# Altium PCB slave-14-mc33775.PcbDoc (part 1 of 5) (continued)
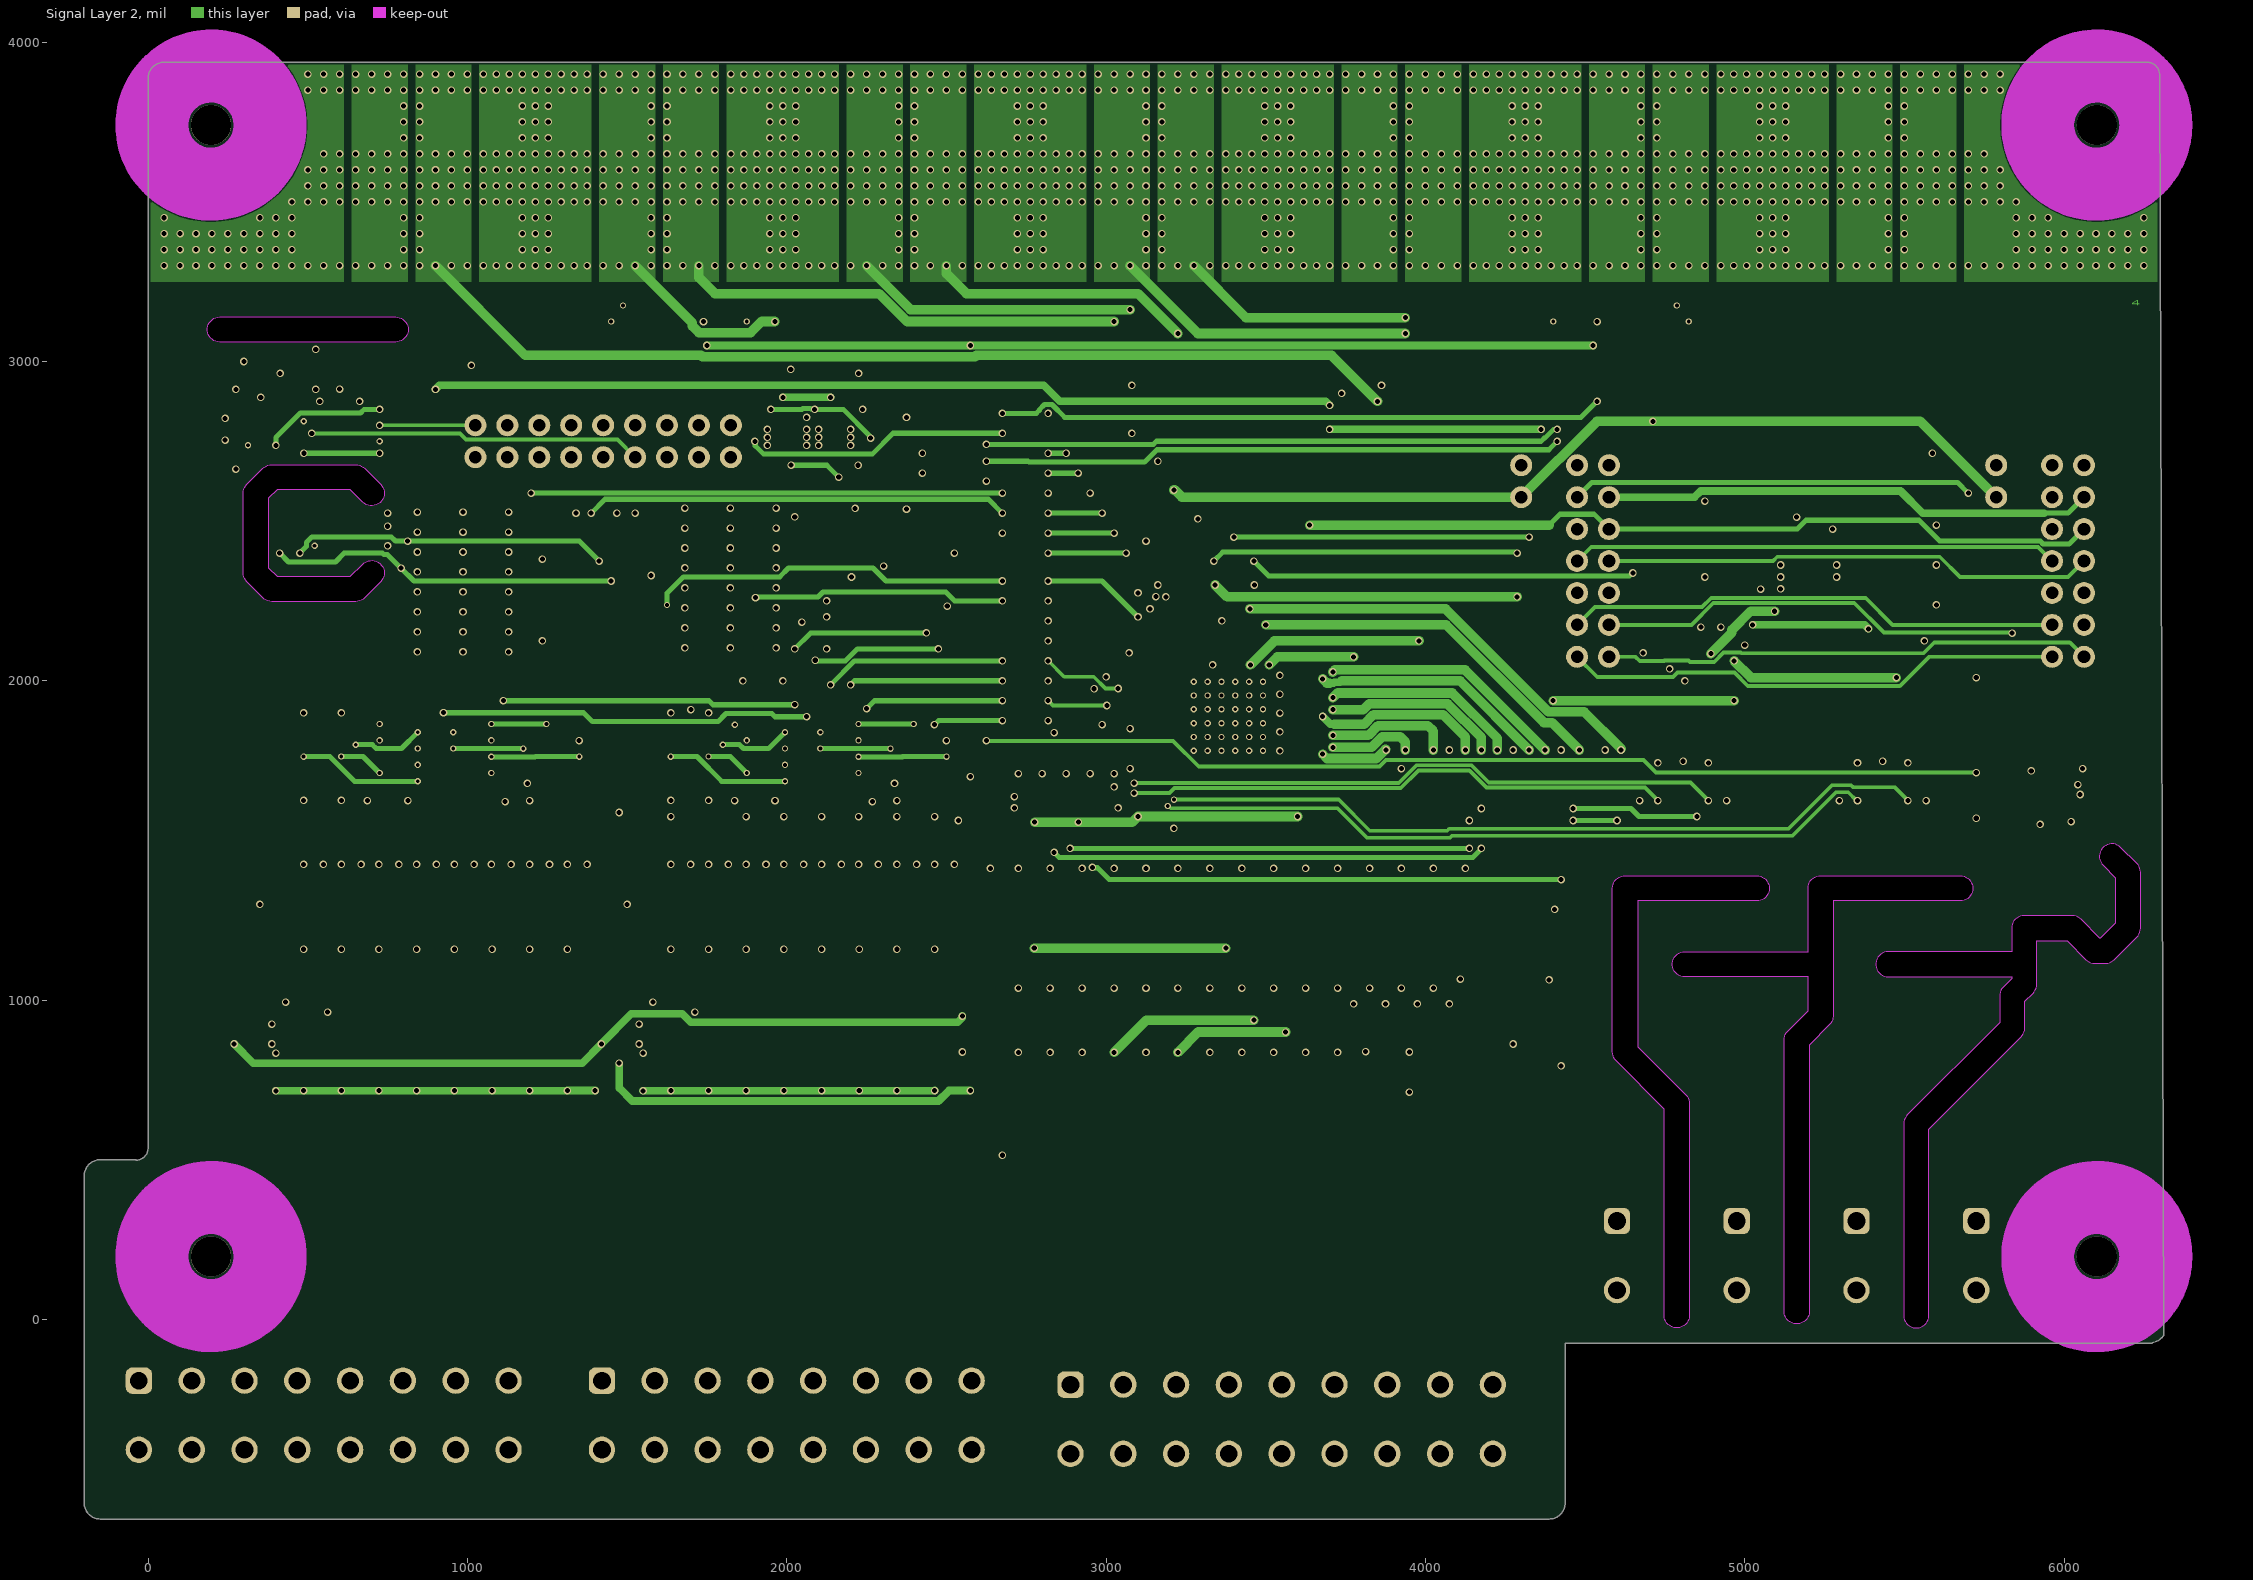
[diagram p4: Signal Layer 2]
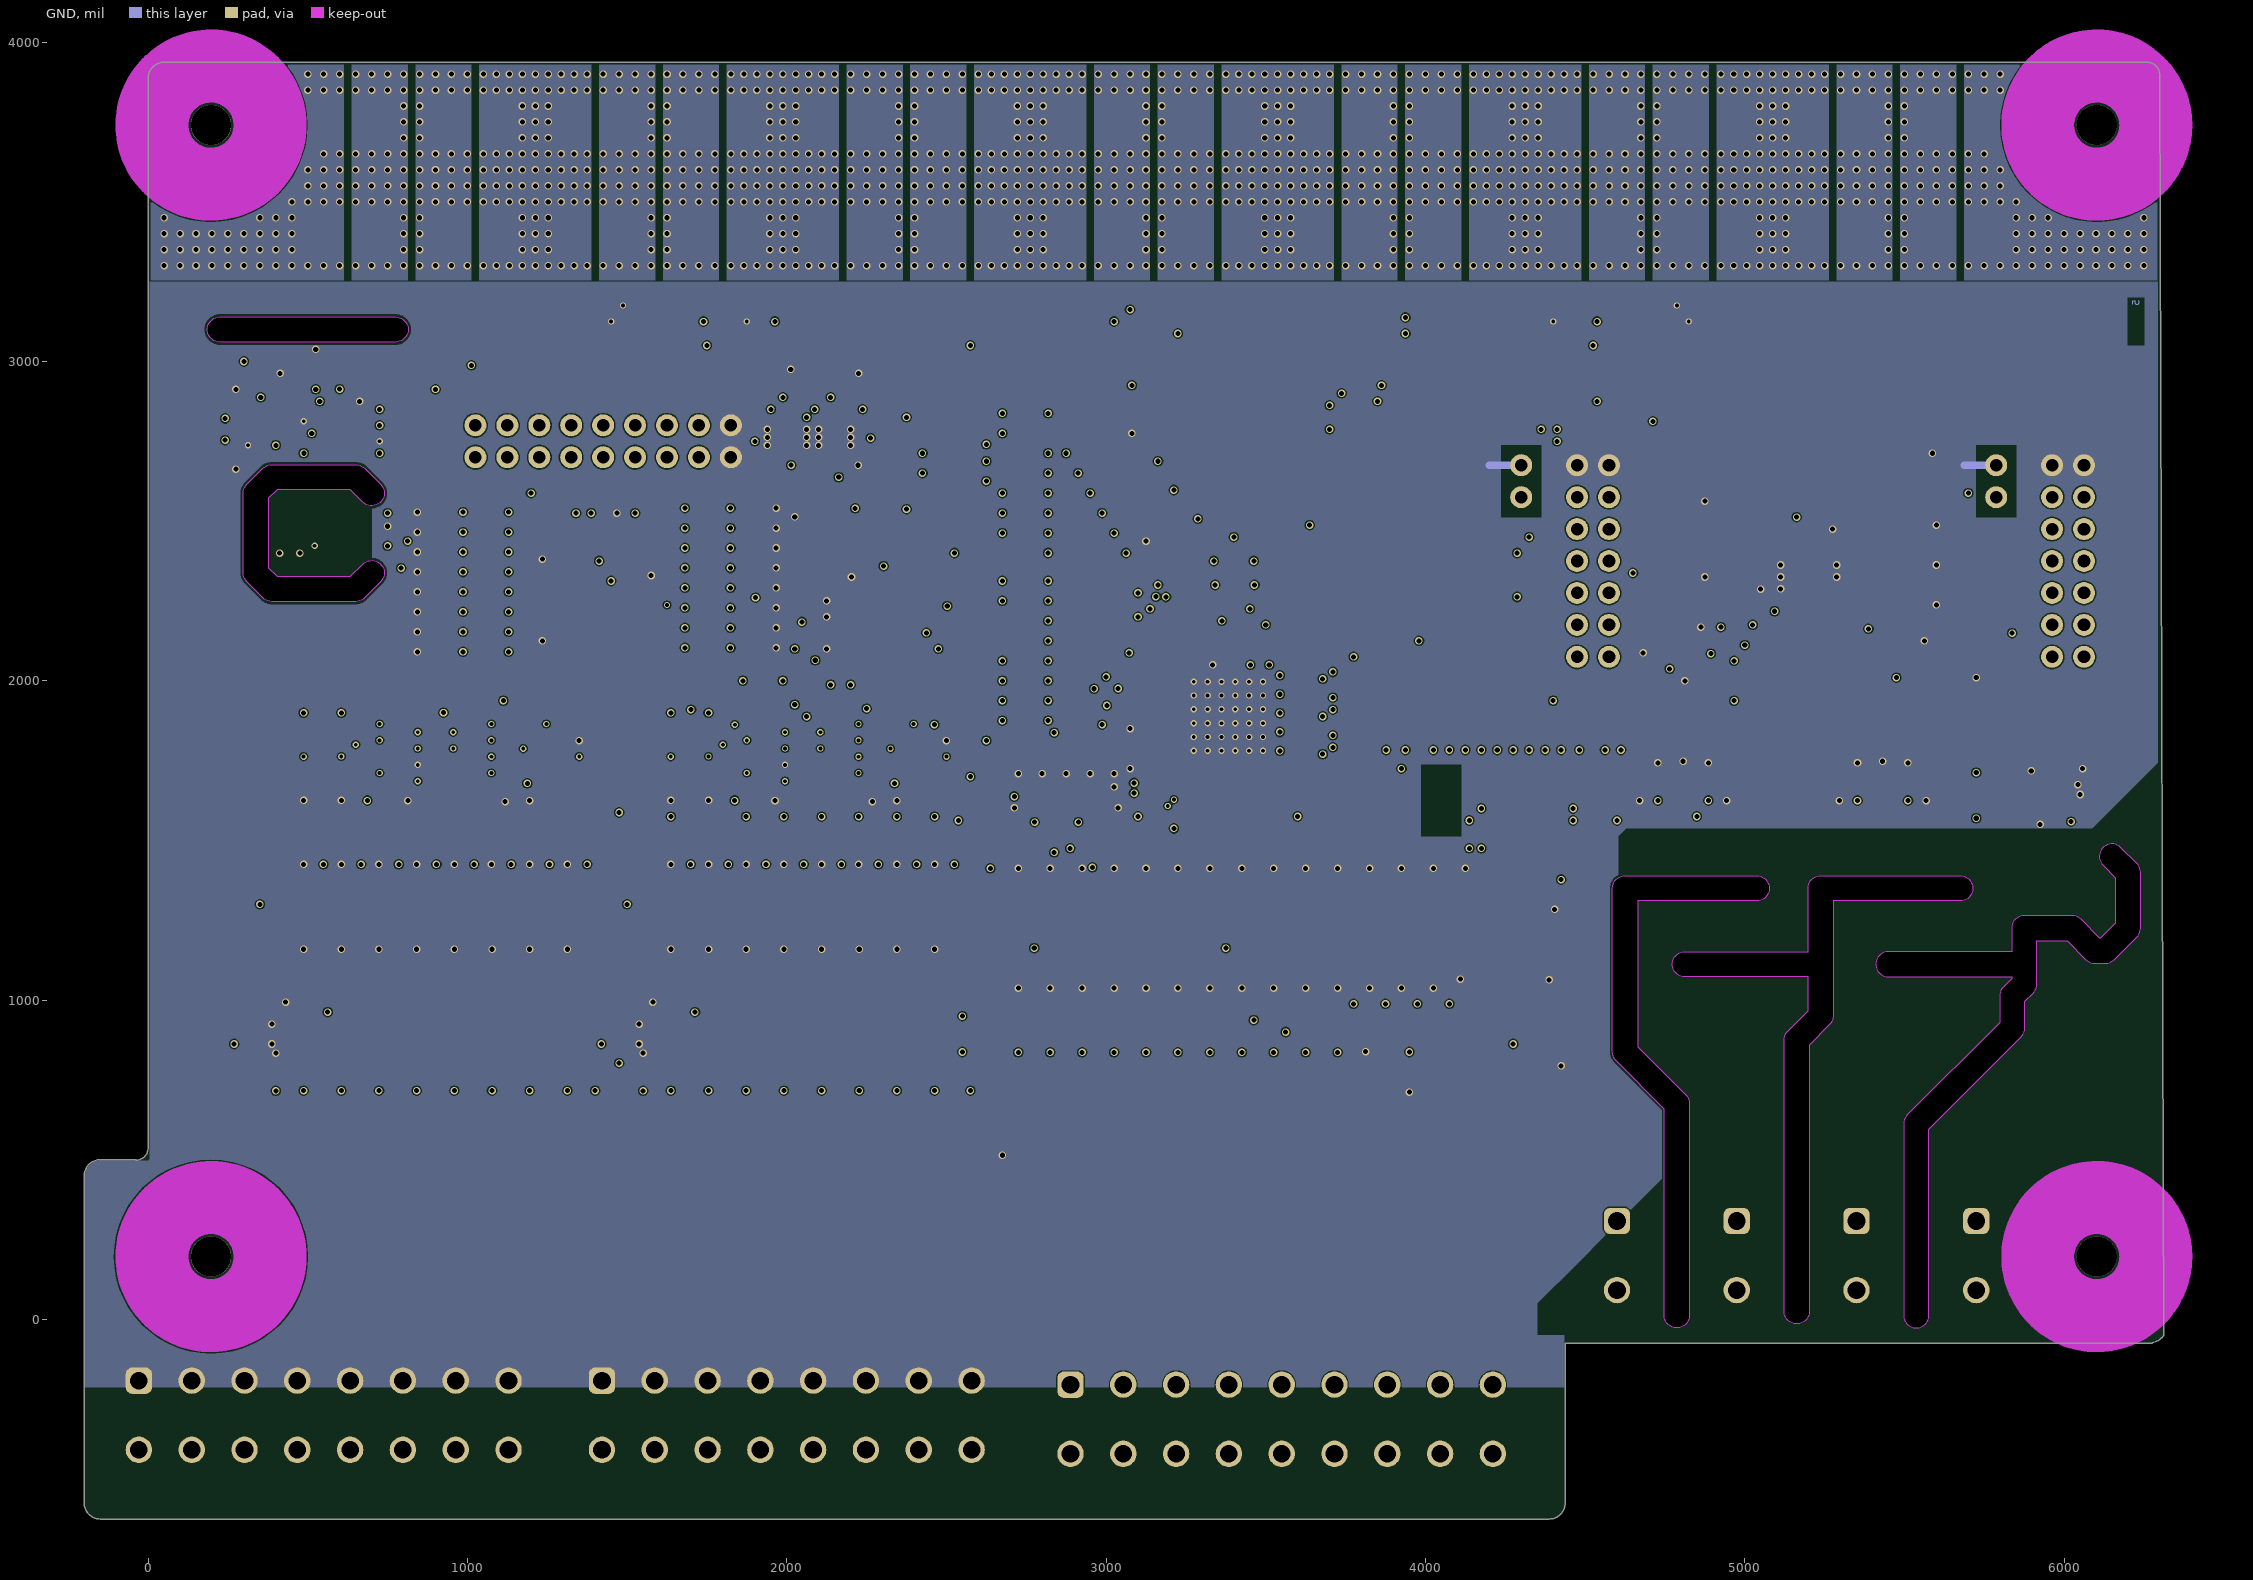
[diagram p5: GND]

## Layer stack, top to bottom
Top Solder: solder mask 0.591, Solder Resist, Dk 3.5
Top Copper: signal copper 1.378
Dielectric 1: prepreg 14.173, FR-4, Dk 4.6
Supply: signal copper 1.378
Dielectric 4: prepreg 2.8, PP-006, Dk 4.1
Signal Layer 1: signal copper 1.378
Dielectric 2: core 27.559, FR-4, Dk 4.6
Signal Layer 2: signal copper 1.378
Dielectric 5: prepreg 2.8, PP-006, Dk 4.1
GND: signal copper 1.378
Dielectric 3: prepreg 14.173, FR-4, Dk 4.6
Bot Copper: signal copper 1.378
Bottom Solder: solder mask 0.591, Solder Resist, Dk 3.5

## Board outline
-200,-575 -200,450 cw(c-150,450) -150,500 -37.5,500 -39.37,498.13 ccw(c-39.37,537.5) 0,537.5 0,3887.01 cw(c50,3887.01) 50,3937.01 6259.84,3937.01 cw(c6259.84,3897.64) 6299.21,3897.64 6312.42,-50 6312.5,-50 cw(c6262.92,-12.92) 6276.09,-73.41 6275,-75 4437.5,-75 4437.5,-575 cw(c4387.5,-575) 4387.5,-625 -150,-625 cw(c-150,-575)
cut-out: 5123.11,25 5123.11,875 cw(c5162.5,875) 5134.65,902.85 5198.11,966.31 5198.11,1073.11 4812.5,1073.11 cw(c4812.5,1112.5) 4812.5,1151.89 5198.11,1151.89 5198.11,1350 cw(c5237.5,1350) 5237.5,1389.39 5675,1389.39 cw(c5675,1350) 5714.39,1350 cw(c5675,1350) 5675,1310.61 5276.89,1310.61 5276.89,950 cw(c5237.5,950) 5265.35,922.15 5201.89,858.69 5201.89,25 cw(c5162.5,25)
cut-out: 5498.11,12.5 ccw(c5537.5,12.5) 5576.89,12.5 5576.89,596.19 5865.35,884.65 ccw(c5837.5,912.5) 5876.89,912.5 5876.89,996.19 5902.85,1022.15 ccw(c5875,1050) 5914.39,1050 5914.39,1185.61 6009.46,1185.61 6067.94,1127.13 ccw(c6095.79,1154.98) 6095.79,1115.6 6129.98,1115.6 ccw(c6129.98,1154.98) 6157.83,1127.13 6227.85,1197.15 ccw(c6200,1225) 6239.39,1225 6239.39,1400 ccw(c6200,1400) 6227.85,1427.85 6177.85,1477.85 ccw(c6150,1450) 6122.15,1422.15 6160.61,1383.69 6160.61,1241.31 6113.67,1194.37 6112.11,1194.37 6053.62,1252.85 ccw(c6025.77,1225) 6025.77,1264.39 ccw(c6025.39,1197.32) 6025,1264.39 5875,1264.39 ccw(c5875,1225) 5835.61,1225 5835.61,1151.89 5450,1151.89 ccw(c5450,1112.5) 5450,1073.11 5835.61,1073.11 5835.61,1066.31 5809.65,1040.35 ccw(c5837.5,1012.5) 5798.11,1012.5 5798.11,928.81 5509.65,640.35 ccw(c5537.5,612.5) 5498.11,612.5
cut-out: 4597.15,809.65 cw(c4625,837.5) 4585.61,837.5 4585.61,1350 cw(c4625,1350) 4625,1389.39 5037.5,1389.39 cw(c5037.5,1350) 5076.89,1350 cw(c5037.5,1350) 5037.5,1310.61 4664.39,1310.61 4664.39,853.81 4815.35,702.85 cw(c4787.5,675) 4826.89,675 4826.89,12.5 cw(c4787.5,12.5) 4748.11,12.5 4748.11,658.69
cut-out: 359.65,2259.65 309.65,2309.65 cw(c337.5,2337.5) 298.11,2337.5 298.11,2587.5 cw(c337.5,2587.5) 309.65,2615.35 359.65,2665.35 cw(c387.5,2637.5) 387.5,2676.89 650,2676.89 cw(c650,2637.5) 677.85,2665.35 727.85,2615.35 cw(c700,2587.5) 739.39,2587.5 cw(c700,2587.5) 672.15,2559.65 633.69,2598.11 403.81,2598.11 376.89,2571.19 376.89,2353.81 403.81,2326.89 633.69,2326.89 672.15,2365.35 cw(c700,2337.5) 739.39,2337.5 cw(c700,2337.5) 727.85,2309.65 677.85,2259.65 cw(c650,2287.5) 650,2248.11 387.5,2248.11 cw(c387.5,2287.5)
cut-out: 225,3060.61 cw(c225,3100) 225,3139.39 775,3139.39 cw(c775,3100) 814.39,3100 cw(c775,3100) 775,3060.61

## Design rules (kind name [scope] priority, off if disabled: settings)
AssemblyTestPointUsage [All] p1 off:
AssemblyTestpoint [(IsPad And (OnTopLayer Or OnBottomLayer)) Or (IsPad And OnMultiLayer)] p1 off: testpointundercomponent=FALSE minsize=40 maxsize=100 preferedsize=60 minholesize=0 maxholesize=40 preferedholesize=32 testpointgrid=1 usegrid=TRUE gridtolerance=0.01 allowsidetop=TRUE
BoardOutlineClearance [All] p1: gap=8 ignorepadtopadclearanceinfootprint=FALSE except(20: Arc-CavityEdge Track-CavityEdge SMDPad-CavityEdge THPad-CavityEdge Via-CavityEdge Fill-CavityEdge Poly-CavityEdge Region-CavityEdge Text-CavityEdge)
Clearance Clearance_TPL_high [InNetClass('TPL_high') vs Not InNetClass('TPL_high')] p1: gap=43.31 ignorepadtopadclearanceinfootprint=TRUE
Clearance Clearance_TPL_low [InNetClass('TPL_low') vs Not InNetClass('TPL_low')] p2: gap=43.31 ignorepadtopadclearanceinfootprint=TRUE
Clearance Clearance_Alarm_in [InNetClass('ALARM_in') vs Not InNetClass('ALARM_in')] p3: gap=43.31 ignorepadtopadclearanceinfootprint=TRUE
Clearance [All] p4: gap=4 ignorepadtopadclearanceinfootprint=TRUE except(6: Arc-Text Arc-Hole Track-Text Track-Hole SMDPad-Text SMDPad-Hole THPad-Text THPad-Hole Via-Text Via-Hole Fill-Text Fill-Hole Poly-Text Poly-Hole Region-Text Region-Hole Text-Text Text-Hole; 8: Arc-Via Track-Via SMDPad-Via THPad-Via Via-Via)
Creepage Creepage_TPL_high [InNetClass('TPL_high') vs Not InNetClass('TPL_high')] p1: checkdistance=629.92 ignoreinternallayers=FALSE
Creepage Creepage_TPL_low [InNetClass('TPL_low') vs Not InNetClass('TPL_low')] p2: checkdistance=629.92 ignoreinternallayers=FALSE
Creepage Creepage_Alarm_in [InNetClass('ALARM_in') vs Not InNetClass('ALARM_in')] p3: checkdistance=629.92 ignoreinternallayers=FALSE
Creepage [All] p4 off: checkdistance=4
DiffPairsRouting [All] p1: maxlimit=10 minlimit=10 mostfreqgap=10 toplayer_minwidth=8 toplayer_maxwidth=30 toplayer_prefwidth=15 midlayer1_minwidth=8 midlayer1_maxwidth=30 midlayer1_prefwidth=15 midlayer2_minwidth=8 midlayer2_maxwidth=30 midlayer2_prefwidth=15 midlayer3_minwidth=8 midlayer3_maxwidth=30 midlayer3_prefwidth=15 midlayer4_minwidth=8 midlayer4_maxwidth=30 midlayer4_prefwidth=15 bottomlayer_minwidth=8 bottomlayer_maxwidth=30 bottomlayer_prefwidth=15 maxuncoupledlength=500
FabricationTestpoint [All] p1: side=1 testpointundercomponent=TRUE minsize=20 maxsize=300 preferedsize=60 minholesize=0 maxholesize=40 preferedholesize=32 testpointgrid=1 allowsidetop=TRUE usegrid=FALSE gridtolerance=0.01
HoleSize [All] p1: absolutevalues=TRUE maxlimit=236 minlimit=7.87 maxpercent=80.000 minpercent=20.000
HoleToHoleClearance [All] p1: gap=6 allowstackedmicrovias=TRUE
MinimumAnnularRing [All] p1: minimumring=3.93
MinimumSolderMaskSliver [All] p1: minsoldermaskwidth=4
PlaneConnect [All] p1: planeconnectstyle=Direct reliefexpansion=20 reliefentries=4 reliefconductorwidth=10 reliefairgap=10
PolygonConnect [All] p1: connectstyle=Direct reliefconductorwidth=10 reliefentries=4 polygonreliefangle="90 Angle" airgapwidth=10
RoomDefinition U_analog_in_bank1 [InComponentClass('U_analog_in_bank1')] p1: confinementstyle=ConfineIn formatcopy=TRUE lockcomponents=FALSE outline 200.83,944.33 200.83,1255.67 446.5,1255.67 446.5,1414.13 448.46,1414.13 448.46,1899.67 717.76,1899.67 717.76,1906.06 1118.15,1906.06 1118.15,1938.54 1399.67,1938.54 1399.67,1714.72 1413.54,1714.72 1413.54,837.17 1438.54,837.17 1438.54,712.83 1351.54,712.83 440.51,712.83 440.51,710.87 359.49,710.87 359.49,821.99 264.41,821.99 264.41,944.33
RoomDefinition U_sensors [InComponentClass('U_sensors')] p2: confinementstyle=ConfineIn formatcopy=TRUE lockcomponents=FALSE outline 234.49,2660.87 234.49,2789.13 234.49,2914.13 320.12,2914.13 320.12,3038.44 484.49,3038.44 484.49,3039.13 565.51,3039.13 565.51,3037.17 638.54,3037.17 638.54,2915.51 664.13,2915.51 664.13,2847.01 686.77,2847.01 686.77,2702.99 640.51,2702.99 640.51,2448.37 614.13,2448.37 614.13,2334.49 485.87,2334.49 485.87,2430.65 393.15,2430.65 393.15,2660.87
RoomDefinition U_passive_balancing [InComponentClass('U_passive_balancing')] p3: confinementstyle=ConfineIn formatcopy=TRUE lockcomponents=FALSE outline 396.99,3187.83 396.99,3312.17 488.03,3312.17 488.03,3823.98 888.03,3823.98 5811.97,3823.98 5811.97,3312.17 5903.01,3312.17 5903.01,3187.83 4826.63,3187.83 4826.63,3084.49 4674.67,3084.49 4674.67,3011.46 1600.33,3011.46 1600.33,3084.49 1448.37,3084.49 1448.37,3187.83
RoomDefinition U_ldo [InComponentClass('U_ldo')] p4: confinementstyle=ConfineIn formatcopy=TRUE lockcomponents=FALSE outline 1919.04,2665.89 1919.04,2856.36 2021.99,2856.36 2021.99,3010.59 2103.01,3010.59 2103.01,3003.01 2229.88,3003.01 2229.88,2897.5 2231.85,2897.5 2231.85,2884.7 2301.04,2884.7 2301.04,2713.54 2349.67,2713.54 2349.67,2651.04 2352.62,2651.04 2352.62,2573.96 2349.67,2573.96 2349.67,2511.46 2245.86,2511.46 2245.86,2458.75 2182.49,2458.75 2182.49,2501.25 2073.07,2501.25 2073.07,2509.59 1974.65,2509.59 1974.65,2665.89
RoomDefinition U_input_filter [InComponentClass('U_input_filter')] p5: confinementstyle=ConfineIn formatcopy=TRUE lockcomponents=FALSE outline 2684.49,1035.87 2684.49,1164.13 2684.49,1414.13 4165.51,1414.13 4165.51,1285.87 4165.51,1035.87 3990.51,1035.87 3990.51,709.88 3909.49,709.88 3909.49,712.83 2686.46,712.83 2686.46,1035.87
RoomDefinition U_eeprom [InComponentClass('U_eeprom')] p6: confinementstyle=ConfineIn formatcopy=TRUE lockcomponents=FALSE outline 2012.83,2111.46 2012.83,2188.54 2119.33,2188.54 2119.33,2299.17 2210.87,2299.17 2210.87,2365.51 2339.13,2365.51 2339.13,2299.17 2430.67,2299.17 2430.67,2238.54 2537.17,2238.54 2537.17,2161.46 2430.67,2161.46 2430.67,2057.72 2119.33,2057.72 2119.33,2111.46
RoomDefinition U_digital_io [InComponentClass('U_digital_io')] p7: confinementstyle=ConfineIn formatcopy=TRUE lockcomponents=FALSE outline 842.76,2052.2 842.76,2566.79 1680.26,2566.79 1680.26,2579.29 1967.09,2579.29 1967.09,2064.7 1129.59,2064.7 1129.59,2052.2
RoomDefinition U_dcdc-converter [InComponentClass('U_dcdc-converter')] p8: confinementstyle=ConfineIn formatcopy=TRUE lockcomponents=FALSE outline 4673.96,2675.33 4673.96,2799.67 4943.32,2799.67 4943.32,2806.68 5137.83,2806.68 5137.83,2851.04 5262.17,2851.04 5262.17,2804 5411.77,2804 5411.77,2802.22 5691.59,2802.22 5691.59,2099.67 5726.04,2099.67 5726.04,1975.33 5551.04,1975.33 5360.89,1975.33 5360.89,1880.16 5020.02,1880.16 5020.02,1943.74 4810.96,1943.74 4810.96,1955.82 4733.37,1955.82 4733.37,2048.96 4675.33,2048.96 4675.33,2195.91 4674.94,2195.91 4674.94,2675.33
RoomDefinition U_analog_in_bank0 [InComponentClass('U_analog_in_bank0')] p9: confinementstyle=ConfineIn formatcopy=TRUE lockcomponents=FALSE outline 1350.83,944.33 1350.83,1255.67 1596.5,1255.67 1596.5,1414.13 1598.46,1414.13 1598.46,1899.67 1867.76,1899.67 1867.76,1906.06 2268.15,1906.06 2268.15,1938.54 2549.67,1938.54 2549.67,1714.72 2563.54,1714.72 2563.54,837.17 2588.54,837.17 2588.54,712.83 1590.51,712.83 1590.51,710.87 1509.49,710.87 1509.49,821.99 1414.41,821.99 1414.41,944.33
RoutingVias [All] p1: holewidth=8 width=17.72 viastyle="Through Hole" minholewidth=8 minwidth=17.72 maxholewidth=39.37 maxwidth=275.59 useviatemplates=TRUE viatemplateguid#1={F81AEFC7-3C62-4E62-9F19-F0C0822CA78E} viatemplatename#1=0.4mm_tented
SMDEntry [All] p1: side=TRUE corner=TRUE anyangle=FALSE
SMDToCorner [All] p1: distance=40000
SilkToSolderMaskClearance [IsPad] p1: minsilkscreentomaskgap=4 clearancetoexposedcopper=FALSE
SolderMaskExpansion SolderMaskExpansion_VIAs [IsVia] p1: expansion=-393.7 istentingtop=FALSE // Cover all Vias
SolderMaskExpansion [All] p2: expansion=2 istentingtop=FALSE
SupplyNets "Schematic Supply Nets_10" [InNet('VBAT_con')] p1: voltage=0.000
SupplyNets "Schematic Supply Nets_9" [InNet('VDDIO')] p2: voltage=0.000
SupplyNets "Schematic Supply Nets_8" [InNet('VBAT')] p3: voltage=0.000
SupplyNets "Schematic Supply Nets_7" [InNet('VDDA')] p4: voltage=0.000
SupplyNets "Schematic Supply Nets_6" [InNet('VBAT_con_ext')] p5: voltage=0.000
SupplyNets "Schematic Supply Nets_5" [InNet('+3.3V')] p6: voltage=0.000
SupplyNets "Schematic Supply Nets_4" [InNet('VDDC')] p7: voltage=0.000
SupplyNets "Schematic Supply Nets_3" [InNet('VBAT_ext')] p8: voltage=0.000
SupplyNets "Schematic Supply Nets_2" [InNet('VAUX')] p9: voltage=0.000
SupplyNets "Schematic Supply Nets_1" [InNet('VMODULE')] p10: voltage=0.000
SupplyNets "Schematic Supply Nets" [InNet('GND')] p11: voltage=0.000
UnRoutedNet [All] p1: checkbadconnections=TRUE
UnpouredPolygon UnpouredPolygon_1 [All] p1:
Width [All] p1: maxlimit=60 minlimit=4 preferedwidth=6
19 further rules are at their usual default settings.

## Classes and differential pairs
net class TPL_low: NetR619_1 NetR622_1 TPL_L._N TPL_L._P
net class TPL_high: NetR610_1 NetR612_1 TPL_H._N TPL_H._P
net class ALARM_in: AL_IN._N AL_IN._P Gnd2_unused Gnd22_unused Vdd2_unused Vout_unused
component class U_ldo: 3.3V_LDO C850 C851 C852 LD850 R850 R851 R852 R853 R854 U850 U851
component class slave-14-mc33775: MP_LL MP_LR MP_UL MP_UR R100
channel class analog_in: U_analog_in_bank0 U_analog_in_bank1
net class T_FILT[0..7]: T_FILT0 T_FILT1 T_FILT2 T_FILT3 T_FILT4 T_FILT5 T_FILT6 T_FILT7
net class DIGITAL-IO_[0..15]: DIGITAL-IO_0 DIGITAL-IO_1 DIGITAL-IO_2 DIGITAL-IO_3 DIGITAL-IO_4 DIGITAL-IO_5 DIGITAL-IO_6 DIGITAL-IO_7 DIGITAL-IO_8 DIGITAL-IO_9 DIGITAL-IO_10 DIGITAL-IO_11 DIGITAL-IO_12 DIGITAL-IO_13 DIGITAL-IO_14 DIGITAL-IO_15
component class U_sensors: C920 C921 C922 C923 C924 C925 IC920 R920 U920 U921 U922
component class U_digital_io: C900 R900 R901 R902 R903 R904 R905 R906 R907 R908 R909 R910 R911 R912 R913 R914 R915 R916 R917 R918 R919 R921 R922 R923 R924 R925 R926 R927 R928 R929 R930 R931 R932 R933 U900
component class U_dcdc-converter: 3.3V_DCDC C800 C801 C802 C803 C804 C805 C806 C807 C808 C809 C810 enable_DCDC L800 L801 LD800 R800 R801 R802 R803 R804 R805 R806 R807 R808 R809 R810 U800 Vin_DCDC
component class U_analog_in_bank1: C200_2 C201_2 C202_2 C203_2 C204_2 C205_2 C206_2 C207_2 C208_2 C209_2 C210_2 C211_2 C212_2 C213_2 C214_2 C215_2 C216_2 C217_2 C218_2 C219_2 C220_2 C221_2 R200_2 R201_2 R202_2 R203_2 R204_2 R205_2 R206_2 R207_2 R208_2 R209_2 R210_2 R211_2 R212_2 R213_2 R214_2 R215_2 R216_2 R217_2 R218_2 R219_2 R220_2 R221_2 R222_2 R223_2 R224_2 R225_2 R226_2 R227_2 R228_2 R229_2 R230_2 R231_2 R232_2 U200_2 U201_2 U202_2
differential pair class TPL_H: TPL_H.
net class T-SENSOR_[0..15]: T-SENSOR_0 T-SENSOR_1 T-SENSOR_2 T-SENSOR_3 T-SENSOR_4 T-SENSOR_5 T-SENSOR_6 T-SENSOR_7 T-SENSOR_8 T-SENSOR_9 T-SENSOR_10 T-SENSOR_11 T-SENSOR_12 T-SENSOR_13 T-SENSOR_14 T-SENSOR_15
net class GPIO[0..7]: GPIO0 GPIO1 GPIO2 GPIO3 GPIO4 GPIO5 GPIO6 GPIO7
net class CT[0..14]: CT0 CT1 CT2 CT3 CT4 CT5 CT6 CT7 CT8 CT9 CT10 CT11 CT12 CT13 CT14
net class CIN[0..14]: CIN0 CIN1 CIN2 CIN3 CIN4 CIN5 CIN6 CIN7 CIN8 CIN9 CIN10 CIN11 CIN12 CIN13 CIN14
net class BAL_NTC[0..1]: BAL_NTC0 BAL_NTC1
component class U_passive_balancing: C700 C701 C702 C703 R700 R701 R702 R703 R704 R705 R706 R707 R708 R709 R710 R711 R712 R713 R714 R715 R716 R717 R718 R719 R720 R721 R722 R723 R724 R725 R726 R727 R728 R729 R730 R731 R732 R733 R734 R735 R736 R737 R738 R739 R740 R741
component class U_mc33775: ALARM_IN ALARM_OUT C600 C601 C602 C603 C604 C605 C606 C607 C608 C609 C610 C611 C612 C613 C614 C615 C616 C617 C618 D600 D601 D602 D603 D604 D605 D606 D607 D608 D609 D610 GND LD600 LD601 Q600 Q601 Q602 R600 R601 R602 R603 R604 R605 R606 R607 R608 R609 R610 R611 R612 R613 R614 R615 R616 R617 R618 R619 R620 R621 R622 R623 R624 R625 R626 R627 R628 R629 R630 R631 R632 R633 R634 R635 R636 R637 R638 R639 R640 R641 R642 R643 T600 T601 TPL_H_N TPL_H_P TPL_L_N TPL_L_P U600 U601 Vaux Vbat Vbat_con_ext Vddc Vmodule
component class U_input_filter: C500 C501 C502 C503 C504 C505 C506 C507 C508 C509 C510 C511 C512 C513 C514 C515 C516 C517 C518 C519 C520 C521 C522 C523 C524 C525 C526 C527 C528 C529 C530 C531 R500 R501 R502 R503 R504 R505 R506 R507 R508 R509 R510 R511 R512 R513 R514 R515 R516 R517 R518 R519 R520 R521 R522 R523 R524 R525 R526
component class U_eeprom: C400 R400 R401 U400
component class U_connectors: J300 J301 J302 J303 J304 J305 J306 J307 J308 J309 J311 J312
component class U_analog_in_bank0: C200_1 C201_1 C202_1 C203_1 C204_1 C205_1 C206_1 C207_1 C208_1 C209_1 C210_1 C211_1 C212_1 C213_1 C214_1 C215_1 C216_1 C217_1 C218_1 C219_1 C220_1 C221_1 R200_1 R201_1 R202_1 R203_1 R204_1 R205_1 R206_1 R207_1 R208_1 R209_1 R210_1 R211_1 R212_1 R213_1 R214_1 R215_1 R216_1 R217_1 R218_1 R219_1 R220_1 R221_1 R222_1 R223_1 R224_1 R225_1 R226_1 R227_1 R228_1 R229_1 R230_1 R231_1 R232_1 U200_1 U201_1 U202_1
differential pair TPL_L.: +TPL_L._P -TPL_L._N
differential pair TPL_H.: +TPL_H._P -TPL_H._N
differential pair RXTXL: +RXTXL_P -RXTXL_N
differential pair RXTXH: +RXTXH_P -RXTXH_N

## Components (designator, comment, footprint, x,y, rotation, side; value= is the part's Value field where it differs from the comment)
3.3V_DCDC "Testpoint_Square" Testpoint_S1 5600,2025 r90 top
3.3V_LDO "Testpoint_Square" Testpoint_S1 2214.17,2490.43 r90 top
ALARM_IN "Testpoint_Square" Testpoint_S1 5725,1772.24 r90 top